# Altium PCB 16SoundsUSB.PcbDoc (part 4 of 4)
Units mil, origin at the board's own origin, x right, y up, seen from the top; angles counter-clockwise.
Board outline 6377.95 x 6377.95 mil, 4 copper layers (Top Layer, GND Plane, Signal Layer 2, Bottom Layer), stack 63.902 mil thick; 583 components, 362 nets, 1734 pads, 554 vias.
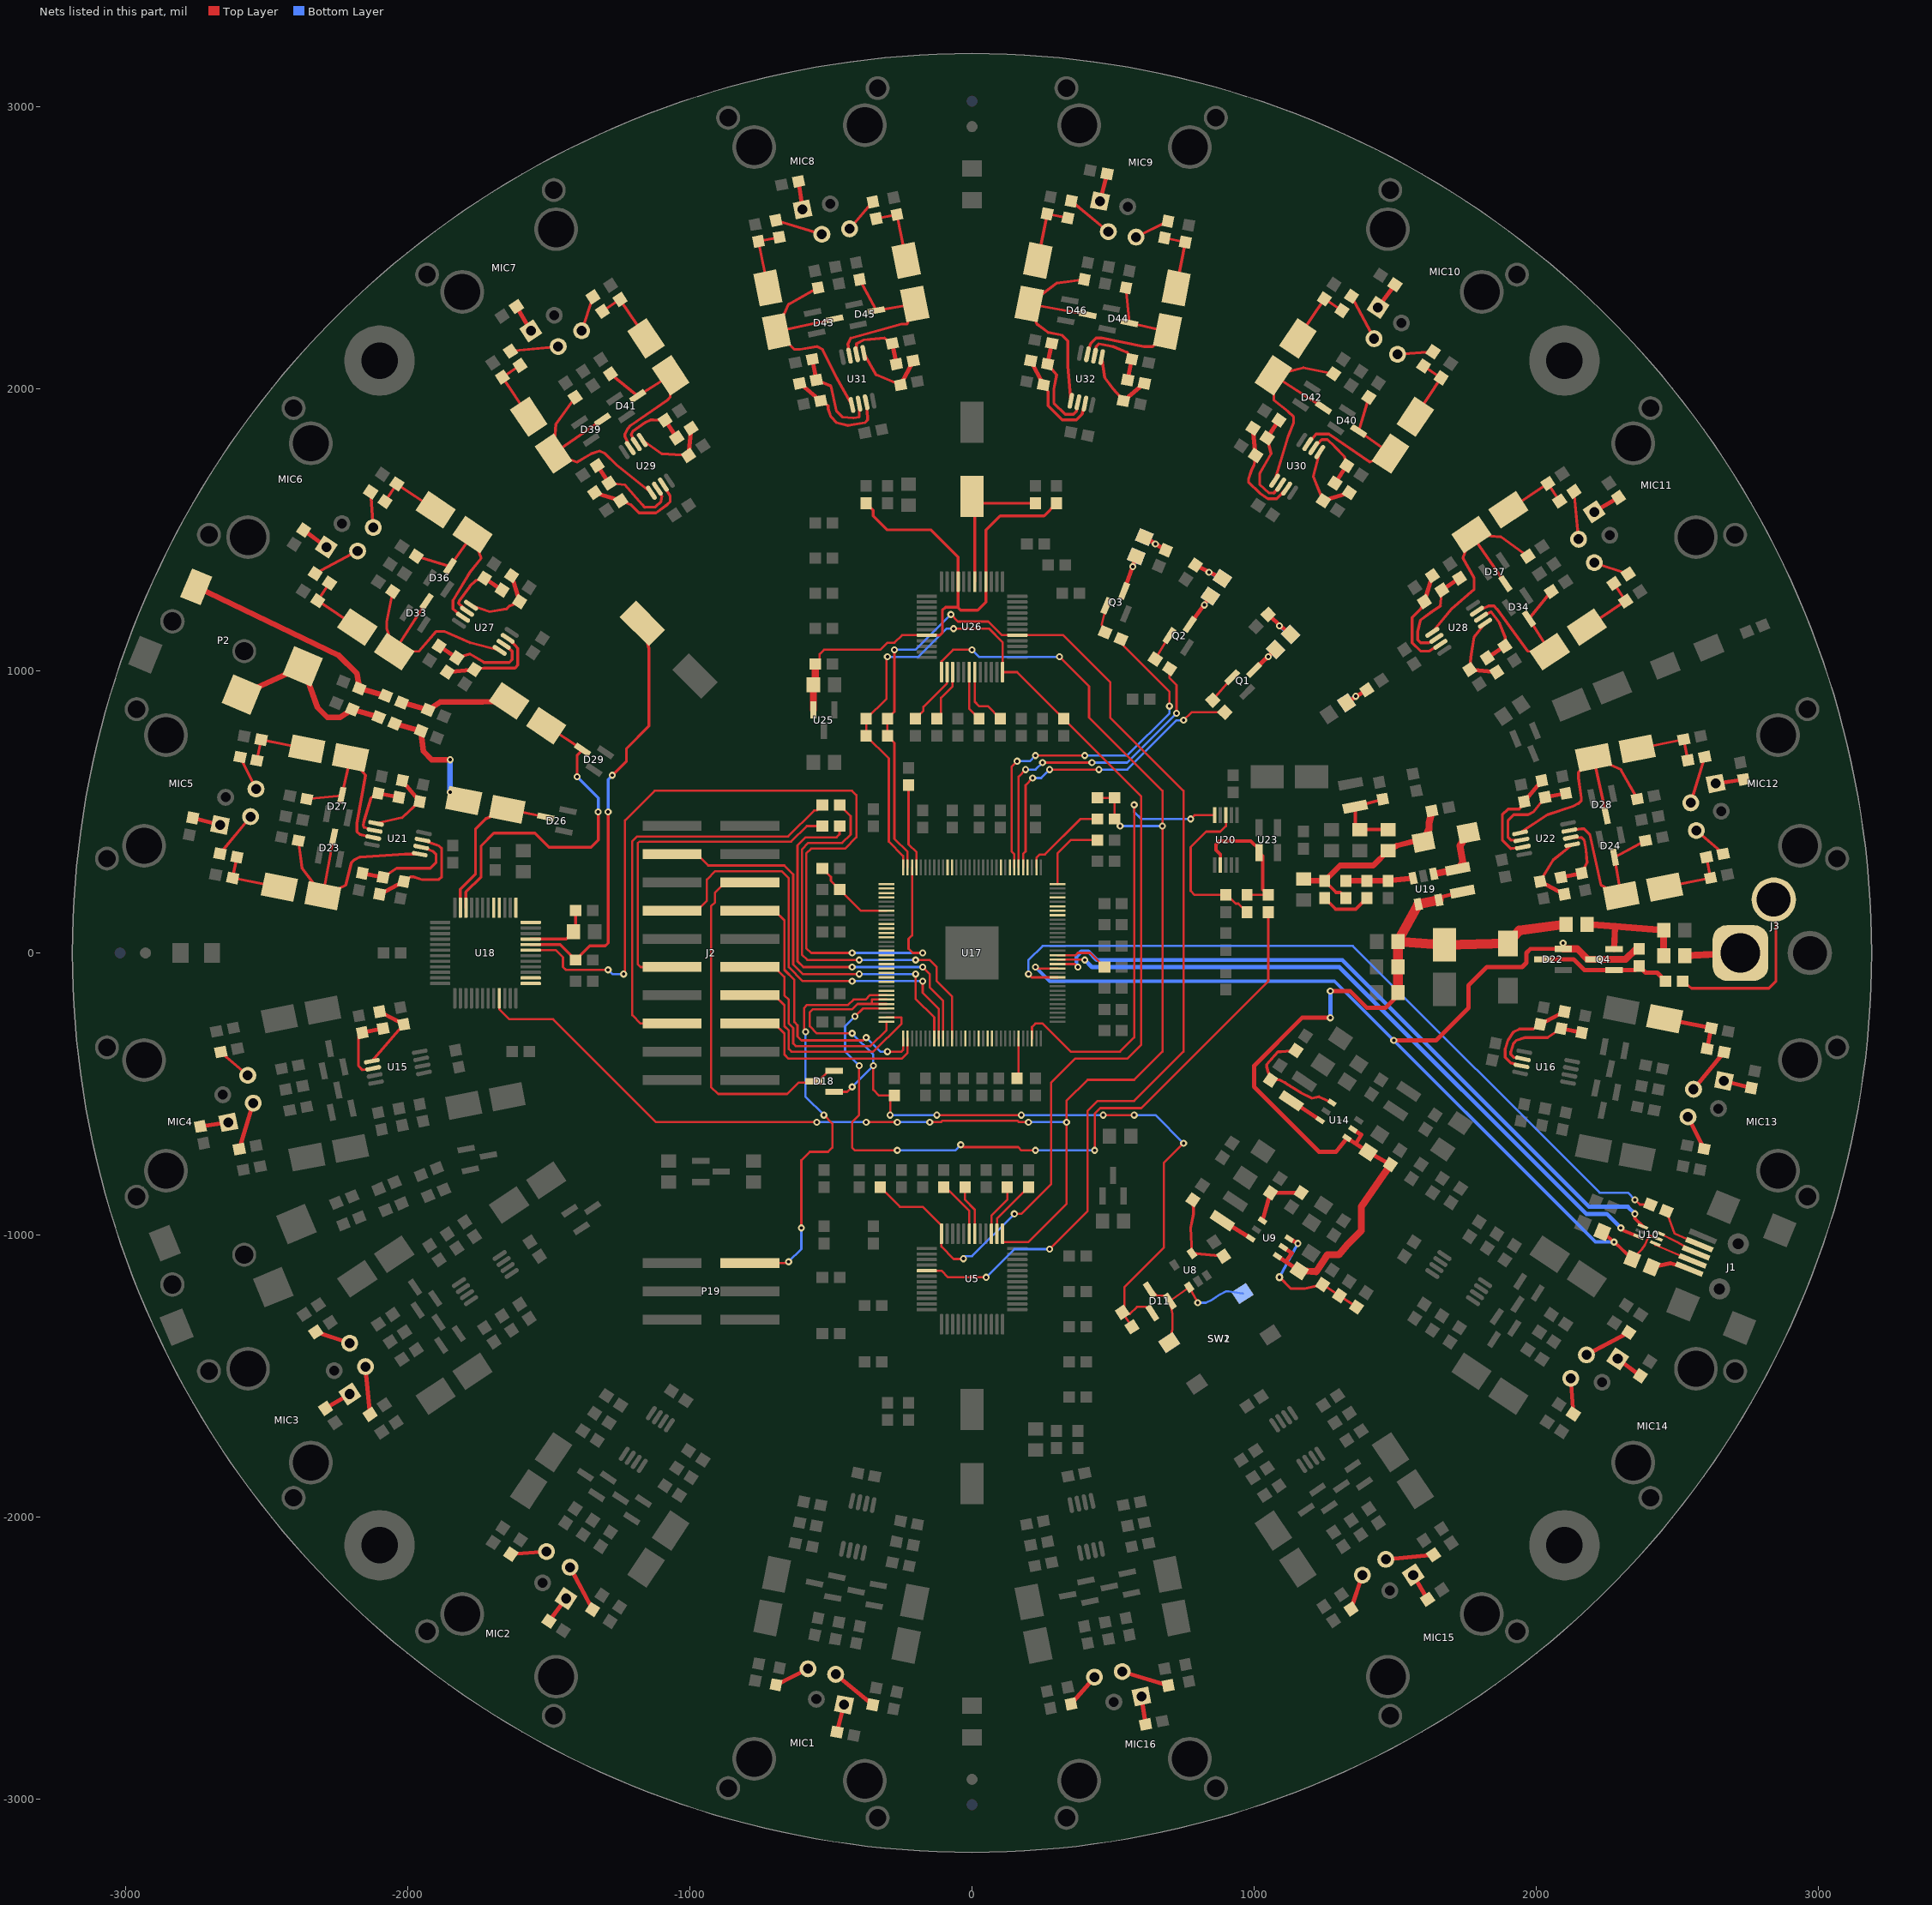
[diagram p6: the nets of this part, all layers, seen from the top]

## Via types
v1: diameter 25, hole 11.81, Top Layer to Bottom Layer, 543 vias
v2: diameter 28, hole 13, Top Layer to Bottom Layer, 5 vias
v3: diameter 70, hole 40, Top Layer to Bottom Layer, 3 vias
v4: diameter 30, hole 12.8, Top Layer to Bottom Layer, 2 vias
v5: diameter 47.24, hole 35.04, Top Layer to Bottom Layer, 1 vias

## Nets (pads, with @x,y where several pads share a name; then routed paths per layer and width w, separated by ;. In a path a pad name is that pad's centre, name@x,y a point inside that pad or via, vN(x,y) a via of type N, cw(c..) or ccw(c..) an arc to the next point about the centre after c; other vN are vias at no path point) (continued)
NetC88_-: C88.- R105.2 R109.2 | length 243.5
  Top Layer w15: C88.-@2455.36,-233.5 R109.2@2620.63,-266.38 R105.2@2606,-339.94
NetC89_1: C89.1 R106.1 U15.2 | length 257.1
  Top Layer w10: R106.1@-2161.4,-282.61 -2175,-296.21 -2175,-400 -2160,-415 U15.2@-2122.58,-409.16
  Top Layer w15: R106.1@-2161.4,-282.61 C89.1@-2087.84,-267.98
NetC89_2: C89.2 R110.1 U15.1 | length 269.7
  Top Layer w10: U15.1@-2127.57,-384.06 R110.1@-2014.28,-253.35
  Top Layer w15: C89.2@-2099.74,-208.13 R110.1@-2014.28,-253.35
NetC91_1: C91.1 R107.1 U16.6 | length 347.2
  Top Layer w10: U16.6@1952.68,-375.37 1920,-370 1910,-360 1910,-350 1920,-320 1930,-310 1960,-300 2040,-300 C91.1@2087.84,-267.98
  Top Layer w15: C91.1@2087.84,-267.98 R107.1@2161.4,-282.61
NetC91_2: C91.2 R111.1 U16.7 | length 363.5
  Top Layer w10: U16.7@1947.68,-400.46 1910,-390 1890,-370 1890,-350 1890.29,-340 1900,-310 1920,-280 1940,-270 1990,-270 R111.1@2014.28,-253.35
  Top Layer w15: R111.1@2014.28,-253.35 C91.2@2099.74,-208.13
NetC100_1: C100.1 C149.+ U18.20 | length 1544.2
  Top Layer w10: U18.20@-1564.57,29.53 -1460.04,29.53 C100.1@-1405.51,-25 -1355.51,25 -1300,25 -1290,35 v1(-1290,500) ; v1(-1275,630) -1225,680 -1225,725 -1145,805 -1145,1080 C149.+@-1168.26,1168.26 C149.+@-1150,1150
  Bottom Layer w10: v1(-1290,500) -1290,615 v1(-1275,630)
NetC104_1: C104.1 C110.1 U18.21 | length 240.7
  Top Layer w10: U18.21@-1564.57,49.21 -1438.19,49.21 C104.1@-1412.4,75 -1405.51,81.89 C110.1@-1405.51,150
NetC108_+: C108.+ D23.3 R131.1 U21.5 | length 853.6
  Top Layer w10: R131.1@-2387.63,398.46 -2375,300 C108.+@-2300.91,202.78 ; D23.3@-2263.33,410.87 C108.+@-2300.91,202.78 ; U21.5@-1957.67,350.27 -2010,350 -2170,340 -2190,330 -2200,320 -2220,240 C108.+@-2300.91,202.78
NetC108_-: C108.- R126.2 R129.2 | length 244.4
  Top Layer w10: R129.2@-2606,339.93 R126.2@-2620.91,265.65 C108.-@-2455.37,233.5
NetC109_+: C109.+ D24.3 R132.2 U22.3 | length 609.1
  Top Layer w10: U22.3@2117.58,434.26 2160,440 2170,440 2190,420 2230,240 C109.+@2300.91,202.78 D24.3@2277.54,339.43 R132.2@2387.63,398.46
NetC109_-: C109.- R127.2 R130.2 | length 240.7
  Top Layer w10: C109.-@2455.36,233.5 R127.2@2617.93,265.84 R130.2@2603.3,339.4
NetC113_1: C113.1 C114.2 C203.1 D25.K L9.1 R122.2 | length 685.2
  Top Layer w12: C114.2@1250,255.51 1290,215 1305,215 R122.2@1325,194.49
  Top Layer w20: C113.1@1181.89,255.51 C114.2@1250,255.51 1304.49,310 1422.4,310 L9.1@1475,362.6 1505,380 1560,395 D25.K@1600.56,394.2
  Top Layer w25: D25.K@1600.56,394.2 1620,440 1620,460 C203.1@1630.07,504.05
NetC114_1: C114.1 C115.2 | length 182.7
  Top Layer w12: C114.1@1250,194.49 1289.49,155 1360.51,155 C115.2@1400,194.49
NetC115_1: C115.1 R122.1 R123.1 U19.3 | length 238.8
  Top Layer w20: R122.1@1325,255.51 C115.1@1400,255.51 R123.1@1475,255.51 U19.3@1563.25,265.48
NetC116_1: C116.1 R124.1 U21.6 | length 370.4
  Top Layer w10: C116.1@-2087.84,267.98 -2040,300 -1920,300 -1900,320 -1900,350 -1910,360 U21.6@-1952.68,375.37
  Top Layer w15: R124.1@-2161.4,282.61 C116.1@-2087.84,267.98
NetC116_2: C116.2 R120.1 U21.7 | length 417.2
  Top Layer w10: R120.1@-2014.28,253.35 -1990,270 -1980,270 -1950,260 -1890,260 -1880,270 -1880,370 -1890,380 U21.7@-1947.68,400.46
  Top Layer w15: C116.2@-2099.74,208.13 R120.1@-2014.28,253.35
NetC117_1: C117.1 R125.1 U22.2 | length 249.1
  Top Layer w10: U22.2@2122.58,409.16 2160,410 2170,400 2176.54,366.54 2180,320 R125.1@2161.4,282.61
  Top Layer w15: C117.1@2087.84,267.98 R125.1@2161.4,282.61
NetC117_2: C117.2 R121.1 U22.1 | length 272.5
  Top Layer w10: R121.1@2014.28,253.35 2060,330 U22.1@2127.57,384.06
  Top Layer w15: R121.1@2014.28,253.35 C117.2@2099.74,208.13
NetC118_1: C118.1 R128.2 U17.103 | length 297.8
  Top Layer w8: R128.2@-530.51,300 -500,269.49 -500,255.51 C118.1@-469.49,225 -394.09,149.61 U17.103@-303.15,149.61
NetC124_1: C124.1 L9.2 L10.1 R141.2 | length 289.7
  Top Layer w12: R141.2@1455.95,545.07 L10.1@1358.06,518.65 1358.06,454.34 C124.1@1375,437.4 L9.2@1475,437.4
NetC126_+: C126.+ D26.3 U18.35 | length 575.7
  Top Layer w10: U18.35@-1813.58,160.43 -1813.58,226.42 -1760,280 -1760,440 -1725,475 C126.+@-1647.77,509.64 D26.3@-1510.72,482.1
NetC126_-: C126.- R151.2 R158.1 | length 391.9
  Top Layer w20: R158.1@-2046.81,813.32 R151.2@-1953.19,786.68 -1945,715 -1915,685 v1(-1850,685)
  Bottom Layer w20: v1(-1850,570) v1(-1850,685)
NetC135_1: C135.1 R143.1 U21.2 | length 253.4
  Top Layer w10: U21.2@-2117.58,434.26 -2155,445 -2158.38,453.38 -2154.37,470 -2130,550 R143.1@-2105.02,566.03
  Top Layer w15: R143.1@-2105.02,566.03 C135.1@-2031.46,551.4
NetC135_2: C135.2 R138.1 U21.1 | length 275.7
  Top Layer w10: U21.1@-2112.59,459.36 -2020,480 R138.1@-1957.9,536.77
  Top Layer w15: C135.2@-2019.56,611.25 R138.1@-1957.9,536.77
NetC136_1: C136.1 R144.1 U22.6 | length 353.5
  Top Layer w10: U22.6@1947.68,400.46 1910,400 1900,410 1900,470 1920,490 1970,490 1990,500 C136.1@2031.46,551.4
  Top Layer w15: C136.1@2031.46,551.4 R144.1@2105.02,566.03
NetC136_2: C136.2 R139.1 U22.7 | length 372.6
  Top Layer w10: U22.7@1952.68,375.37 1910,370 1880,400 1880,490 1900,510 1940,510 R139.1@1957.9,536.77
  Top Layer w15: R139.1@1957.9,536.77 C136.2@2019.56,611.25
NetC139_+: C139.+ D27.3 R140.2 U21.3 | length 611.7
  Top Layer w10: R140.2@-2358.37,545.58 D27.3@-2234.07,557.98 C139.+@-2203.37,693.17 -2150,630 -2180,460 -2180,430 -2170,420 U21.3@-2122.58,409.16
NetC139_-: C139.- R148.2 R150.2 | length 240.7
  Top Layer w10: R148.2@-2535.01,682.67 R150.2@-2520.38,756.23 C139.-@-2357.82,723.9
NetC140_+: C140.+ D28.3 R142.1 U22.5 | length 861
  Top Layer w10: U22.5@1942.69,425.56 2040,490 2130,520 2150,530 2160,540 2160,550 2150,620 2150,640 C140.+@2203.36,693.17 ; D28.3@2248.28,486.55 C140.+@2203.36,693.17 ; R142.1@2358.37,545.58 2300,650 C140.+@2203.36,693.17
NetC140_-: C140.- R149.2 R152.2 | length 243.5
  Top Layer w10: C140.-@2357.82,723.9 R152.2@2523.09,756.77 R149.2@2537.72,683.21
NetC142_+: C142.+ D29.3 U18.34 | length 1221.3
  Top Layer w10: U18.34@-1793.9,160.43 -1793.9,216.1 -1740,270 -1740,380 -1695,425 -1550,425 -1500,375 -1350,375 -1325,400 v1(-1325,500) ; C142.+@-1509.53,806.25 D29.3@-1380.28,720.23 -1380.28,719.72 -1400,700 v1(-1400,625)
  Bottom Layer w10: v1(-1400,625) -1325,550 v1(-1325,500)
NetC142_-: C142.- R159.2 R161.1 | length 393.6
  Top Layer w20: R161.1@-2021.81,888.32 R159.2@-1928.19,861.68 -1885,890 -1735,890 C142.-@-1640.47,893.75
NetC148_1: C148.1 P2.2 P2.4 R158.2 | length 636.7
  Top Layer w20: P2.2@-2588.46,915.83 P2.4@-2372.28,1015.92 -2320,870 -2285,835 -2240,835 C148.1@-2196.81,863.32 R158.2@-2103.19,836.68
NetC151_1: C151.1 P2.3 R161.2 | length 801.8
  Top Layer w20: P2.3@-2749.77,1297.99 -2245,1055 -2180,990 C151.1@-2171.81,938.32 R161.2@-2078.19,911.68
NetC152_1: C152.1 C158.1 C177.1 C180.1 U25.2 U26.4 U26.9 U26.20 | length 2059.6
  Top Layer w8: C158.1@-555.51,1025 -540,1040.51 -540,1060 -525,1075 -325,1075 -300,1100 -275,1100 -248.43,1126.57 U26.20@-160.43,1126.57
  Top Layer w10: C177.1@-375,1594.49 -350,1569.49 -350,1550 -300,1500 -145,1500 -49.21,1404.21 U26.9@-49.21,1316.54 -49.21,1225.79 -94.21,1225.79 -105,1215 -105,1135 -113.43,1126.57 U26.20@-160.43,1126.57 ; -50,1225 -40,1215 20,1215 49.21,1244.21 U26.4@49.21,1316.54 ; 49.21,1499.21 100,1550 255.51,1550 C180.1@300,1594.49
  Top Layer w11: U26.4@49.21,1316.54 49.21,1499.21
  Top Layer w25: U25.2@-562.4,861.42 C152.1@-562.4,950 ; C152.1@-555.51,956.89 C158.1@-555.51,1025
NetC153_+: C153.+ D33.3 R174.1 U27.5 | length 849.6
  Top Layer w10: R174.1@-2053.4,1281.84 -2075,1175 -2075,1150 C153.+@-2048.16,1067.87 ; D33.3@-1933.82,1245.73 C153.+@-2048.16,1067.87 ; U27.5@-1674.61,1072.77 -1780,1100 -1870,1140 -1900,1140 -1960,1070 C153.+@-2048.16,1067.87
NetC153_-: C153.- R170.2 R176.2 | length 243.5
  Top Layer w10: R176.2@-2277.54,1311.33 R170.2@-2319.21,1248.97 C153.-@-2179.1,1155.36
NetC154_1: C154.1 R166.1 U27.6 | length 354.5
  Top Layer w10: C154.1@-1826.36,1046.56 -1780,1060 -1730,1030 -1640,1030 -1630,1040 -1630,1070 U27.6@-1660.39,1094.05
  Top Layer w15: R166.1@-1888.72,1088.23 C154.1@-1826.36,1046.56
NetC154_2: C154.2 R163.1 U27.7 | length 365.8
  Top Layer w10: R163.1@-1764,1004.89 -1730,1010 -1620,1010 -1610,1020 -1610,1080 -1620,1090 U27.7@-1646.17,1115.33
  Top Layer w15: C154.2@-1860.26,995.82 R163.1@-1764,1004.89
NetC155_1: C155.1 R167.1 U28.2 | length 251.3
  Top Layer w10: U28.2@1804.42,1190.29 1840,1210 1870,1170 1890,1120 R167.1@1888.72,1088.23
  Top Layer w15: C155.1@1826.36,1046.56 R167.1@1888.72,1088.23
NetC155_2: C155.2 R164.1 U28.1 | length 275.4
  Top Layer w10: R164.1@1764,1004.89 1770,1060 1780,1120 U28.1@1818.64,1169.01
  Top Layer w15: R164.1@1764,1004.89 C155.2@1860.26,995.82
NetC156_+: C156.+ D34.3 R175.2 U28.3 | length 605.7
  Top Layer w10: U28.3@1790.21,1211.57 1830,1230 1850,1230 1860,1220 1970,1070 C156.+@2048.16,1067.87 D34.3@1974.28,1185.17 R175.2@2053.4,1281.84
NetC156_-: C156.- R173.2 R177.2 | length 240.7
  Top Layer w10: C156.-@2179.1,1155.36 R173.2@2316.92,1247.44 R177.2@2275.25,1309.8
NetC161_1: C161.1 R178.1 U27.2 | length 250
  Top Layer w10: U27.2@-1790.21,1211.57 -1820,1240 -1817.93,1247.93 -1780,1300 -1760,1320 R178.1@-1728.17,1328.5
  Top Layer w15: R178.1@-1728.17,1328.5 C161.1@-1665.81,1286.84
NetC161_2: C161.2 R171.1 U27.1 | length 281.1
  Top Layer w10: U27.1@-1775.99,1232.85 -1710,1210 -1650,1220 -1640,1230 R171.1@-1603.45,1245.17
  Top Layer w15: C161.2@-1631.91,1337.57 R171.1@-1603.45,1245.17
NetC164_1: C164.1 R180.1 U28.6 | length 363.9
  Top Layer w10: U28.6@1646.17,1115.33 1620,1100 1590,1100 1580,1110 1580,1140 1590,1180 1630,1210 1660,1230 C164.1@1665.81,1286.84
  Top Layer w15: C164.1@1665.81,1286.84 R180.1@1728.17,1328.5
NetC164_2: C164.2 R172.1 U28.7 | length 377.1
  Top Layer w10: R172.1@1603.45,1245.17 1590,1220 1560,1190 1560,1100 1590,1070 1620,1070 U28.7@1660.39,1094.05
  Top Layer w15: R172.1@1603.45,1245.17 C164.2@1631.91,1337.57
NetC168_+: C168.+ D36.3 R182.2 U27.3 | length 609.5
  Top Layer w10: R182.2@-1970.06,1406.56 D36.3@-1850.48,1370.45 C168.+@-1770.38,1483.6 -1740,1400 -1780,1350 -1840,1250 -1840,1220 U27.3@-1804.43,1190.29
NetC168_-: C168.- R187.2 R190.2 | length 240.7
  Top Layer w10: R187.2@-2080.8,1600.82 R190.2@-2039.13,1663.18 C168.-@-1901.32,1571.09
NetC170_+: C170.+ D37.3 R183.1 U28.5 | length 857.1
  Top Layer w10: U28.5@1631.96,1136.6 1700,1220 1780,1290 1780,1330 1740,1400 C170.+@1770.38,1483.6 ; D37.3@1890.94,1309.89 C170.+@1770.38,1483.6 ; R183.1@1970.06,1406.56 1875,1475 C170.+@1770.38,1483.6
NetC170_-: C170.- R188.2 R191.2 | length 243.5
  Top Layer w10: C170.-@1901.32,1571.09 R191.2@2041.42,1664.71 R188.2@2083.09,1602.35
NetC175_+: C175.+ C179.1 U26.6 | length 526.5
  Top Layer w10: C175.+@0,1618.11 C175.+@9.84,1608.27 ; U26.6@9.84,1316.54 C175.+@9.84,1608.27 ; C179.1@225,1594.49 23.62,1594.49 C175.+@9.84,1608.27
NetC181_1: C181.1 R192.1 U29.6 | length 353.7
  Top Layer w10: C181.1@-1286.84,1665.81 -1230,1660 -1170,1590 -1160,1580 -1121.78,1581.78 -1101.78,1601.78 -1100,1620 U29.6@-1115.33,1646.17
  Top Layer w15: R192.1@-1328.5,1728.17 C181.1@-1286.84,1665.81
NetC181_2: C181.2 R185.1 U29.7 | length 367.9
  Top Layer w10: R185.1@-1245.17,1603.45 -1210,1590 -1180,1560 -1120,1560 -1080,1590 -1070,1600 -1070,1620 U29.7@-1094.05,1660.39
  Top Layer w15: C181.2@-1337.57,1631.91 R185.1@-1245.17,1603.45
NetC182_1: C182.1 R193.1 U30.2 | length 254
  Top Layer w10: U30.2@1211.57,1790.21 1240,1820 1260,1820 1285.73,1795.73 1320,1760 R193.1@1328.5,1728.17
  Top Layer w15: C182.1@1286.83,1665.81 R193.1@1328.5,1728.17
NetC182_2: C182.2 R186.1 U30.1 | length 279.1
  Top Layer w10: U30.1@1232.85,1775.99 1210,1690 1230,1640 R186.1@1245.17,1603.45
  Top Layer w15: R186.1@1245.17,1603.45 C182.2@1337.57,1631.91
NetC183_+: C183.+ D39.3 R200.1 U29.5 | length 858.7
  Top Layer w10: R200.1@-1406.56,1970.06 -1475,1875 C183.+@-1483.6,1770.38 ; D39.3@-1309.89,1890.94 C183.+@-1483.6,1770.38 ; U29.5@-1136.6,1631.96 -1260,1730 -1300,1770 -1320,1780 -1350,1770 -1400,1740 C183.+@-1483.6,1770.38
  Top Layer w15: C183.+@-1483.6,1770.38 C183.+@-1475.63,1775.91
NetC183_-: C183.- R204.2 R208.2 | length 243.5
  Top Layer w10: R208.2@-1602.35,2083.09 R204.2@-1664.71,2041.42 C183.-@-1571.09,1901.32
NetC184_+: C184.+ D40.3 R201.2 U30.3 | length 610.7
  Top Layer w10: U30.3@1190.29,1804.43 1220,1840 1265.24,1840 1410,1740 C184.+@1483.6,1770.38 D40.3@1370.45,1850.48 R201.2@1406.56,1970.06
NetC184_-: C184.- R205.2 R209.2 | length 240.7
  Top Layer w10: C184.-@1571.09,1901.32 R205.2@1663.18,2039.13 R209.2@1600.82,2080.8
NetC185_1: C185.1 R196.1 U29.2 | length 252
  Top Layer w10: U29.2@-1190.29,1804.43 -1207.75,1837.75 -1202.29,1850 -1160,1880 -1140,1890 -1130,1890 R196.1@-1088.23,1888.72
  Top Layer w15: R196.1@-1088.23,1888.72 C185.1@-1046.56,1826.36
NetC185_2: C185.2 R194.1 U29.1 | length 276.4
  Top Layer w10: U29.1@-1169.01,1818.64 -1100,1770 R194.1@-1004.89,1764
  Top Layer w15: R194.1@-1004.89,1764 C185.2@-995.82,1860.26
NetC186_1: C186.1 R197.1 U30.6 | length 353
  Top Layer w10: C186.1@1046.56,1826.36 1060,1770 1020,1700 1020,1660 1051.94,1631.94 1070,1630 U30.6@1094.05,1660.39
  Top Layer w15: C186.1@1046.56,1826.36 R197.1@1088.23,1888.72
NetC186_2: C186.2 R195.1 U30.7 | length 368.2
  Top Layer w10: R195.1@1004.89,1764 1000,1730 990,1710 980,1680 980,1670 1020,1630 1050,1610 1080,1610 U30.7@1115.33,1646.17
  Top Layer w15: C186.2@995.82,1860.26 R195.1@1004.89,1764
NetC189_+: C189.+ D41.3 R206.2 U29.3 | length 604.4
  Top Layer w10: R206.2@-1281.84,2053.4 D41.3@-1185.17,1974.28 C189.+@-1067.87,2048.16 -1070,1970 -1080,1960 -1210,1870 -1220,1860 -1230,1840 -1230,1830 U29.3@-1211.57,1790.21
NetC189_-: C189.- R215.2 R217.2 | length 240.7
  Top Layer w10: R215.2@-1309.8,2275.25 R217.2@-1247.44,2316.92 C189.-@-1155.36,2179.1
NetC190_+: C190.+ D42.3 R207.1 U30.5 | length 847.7
  Top Layer w10: U30.5@1072.77,1674.61 1120,1830 1140,1880 1140,1900 1120,1920 1070,1960 C190.+@1067.87,2048.16 ; D42.3@1245.73,1933.82 C190.+@1067.87,2048.16 ; R207.1@1281.84,2053.4 1175,2075 C190.+@1067.87,2048.16
NetC190_-: C190.- R216.2 R218.2 | length 243.5
  Top Layer w10: C190.-@1155.36,2179.1 R218.2@1248.97,2319.21 R216.2@1311.33,2277.54
NetC193_1: C193.1 R210.1 U31.6 | length 359.3
  Top Layer w10: C193.1@-551.4,2031.46 -500,2010 -480,1920 -460,1900 -420,1896.75 -400,1900 -400,1910 U31.6@-400.46,1947.68
  Top Layer w15: R210.1@-566.03,2105.02 C193.1@-551.4,2031.46
NetC193_2: C193.2 R198.1 U31.7 | length 378
  Top Layer w10: R198.1@-536.77,1957.9 -510,1940 -510,1930 -500,1900 -480,1880 -440,1870 -380,1880 -370,1890 -370,1900 U31.7@-375.37,1952.68
  Top Layer w15: C193.2@-611.25,2019.56 R198.1@-536.77,1957.9
NetC194_1: C194.1 R211.1 U32.2 | length 256.6
  Top Layer w10: U32.2@434.26,2117.58 440,2150 450,2160 500,2150 550,2130 R211.1@566.03,2105.02
  Top Layer w15: C194.1@551.4,2031.46 R211.1@566.03,2105.02
NetC194_2: C194.2 R199.1 U32.1 | length 276
  Top Layer w10: U32.1@459.36,2112.59 470,2040 500,2000 R199.1@536.77,1957.9
  Top Layer w15: R199.1@536.77,1957.9 C194.2@611.25,2019.56
NetC195_1: C195.1 R212.1 U31.2 | length 249.2
  Top Layer w10: U31.2@-409.16,2122.58 -410,2160 -383.76,2173.76 -360,2176.01 -310,2180 R212.1@-282.61,2161.4
  Top Layer w15: R212.1@-282.61,2161.4 C195.1@-267.98,2087.84
NetC195_2: C195.2 R202.1 U31.1 | length 279.6
  Top Layer w10: U31.1@-384.06,2127.57 -340,2050 R202.1@-253.35,2014.28
  Top Layer w15: R202.1@-253.35,2014.28 C195.2@-208.13,2099.74
NetC196_1: C196.1 R213.1 U32.6 | length 359.4
  Top Layer w10: C196.1@267.98,2087.84 300,2050 290,2000 290,1950 330,1910 360,1910 370,1920 U32.6@375.37,1952.68
  Top Layer w15: C196.1@267.98,2087.84 R213.1@282.61,2161.4
NetC196_2: C196.2 R203.1 U32.7 | length 364.2
  Top Layer w10: R203.1@253.35,2014.28 270,1990 270,1940 320,1890 370,1890 390,1910 U32.7@400.46,1947.68
  Top Layer w15: C196.2@208.13,2099.74 R203.1@253.35,2014.28
NetC197_+: C197.+ D43.3 R219.1 U31.5 | length 852.9
  Top Layer w10: R219.1@-545.58,2358.37 -650,2300 C197.+@-693.17,2203.37 ; D43.3@-486.55,2248.28 C197.+@-693.17,2203.37 ; U31.5@-425.56,1942.69 -480,2040 -530,2140 -550,2150 -610,2140 -630,2140 C197.+@-693.17,2203.37
NetC197_-: C197.- R224.2 R226.2 | length 243.5
  Top Layer w10: C197.-@-723.9,2357.82 R224.2@-756.77,2523.09 R226.2@-683.21,2537.72
NetC198_+: C198.+ D44.3 R220.2 U32.3 | length 609.1
  Top Layer w10: U32.3@409.16,2122.58 420,2160 440,2180 460,2180 610,2150 640,2150 C198.+@693.17,2203.37 D44.3@557.98,2234.07 R220.2@545.58,2358.37
NetC198_-: C198.- R225.2 R227.2 | length 240.7
  Top Layer w10: R227.2@682.67,2535.01 R225.2@756.23,2520.38 C198.-@723.9,2357.82
NetC199_+: C199.+ D45.3 R222.2 U31.3 | length 611.5
  Top Layer w10: U31.3@-434.26,2117.58 -440,2160 -430,2180 -250,2230 -230,2230 C199.+@-202.78,2300.91 D45.3@-339.43,2277.54 R222.2@-398.46,2387.63
NetC199_-: C199.- R228.2 R230.2 | length 240.7
  Top Layer w10: R228.2@-339.4,2603.3 R230.2@-265.84,2617.93 C199.-@-233.5,2455.36
NetC200_+: C200.+ D46.3 R223.1 U32.5 | length 850.9
  Top Layer w10: U32.5@350.27,1957.67 340,2080 340,2170 320,2190 270,2200 230,2230 C200.+@202.78,2300.91 ; R223.1@398.46,2387.63 300,2375 C200.+@202.78,2300.91 ; D46.3@410.87,2263.33 C200.+@202.78,2300.91
NetC200_-: C200.- R229.2 R231.2 | length 243.5
  Top Layer w10: C200.-@233.5,2455.36 R231.2@266.38,2620.63 R229.2@339.94,2606
NetC300_1: C300.1 R63.2 R300.1 U9.6 | length 487.1
  Top Layer w10: v2(1090,-1150) 1130,-1190 1180,-1190 R300.1@1243.05,-1175.37 C300.1@1303.05,-1215.37 R63.2@1363.05,-1255.37
  Top Layer w15: U9.6@1124.38,-1012.81 v1(1155,-1030)
  Bottom Layer w10: v2(1090,-1150) v1(1155,-1030)
NetD11_1: D11.1 D18.1 R98.2 TP2.1 TP2.2 U17.123 U17.124 | length 3087.6
  Top Layer w8: D18.1@-488.58,-492.4 -442.4,-492.4 v1(-425,-475) ; v1(-425,-285) -550,-285 -575,-260 -575,-210 -565,-200 -425,-200 -405.92,-180.92 -303.15,-180.92 U17.124@-303.15,-181.1 ; -354.65,-180.56 -354.65,-165.35 U17.123@-303.15,-165.35 ; v1(-350,-400) -350,-485 -329.49,-505.51 R98.2@-275,-505.51 -290,-520.51 v1(-290,-575) ; v1(-125,-575) v1(175,-575) ; v1(465,-575) v1(575,-575) ; TP2.2@566.95,-1325.37 TP2.1@533.05,-1274.63 ; D11.1@639.13,-1276.06 618.08,-1255 585,-1255 560,-1280 538.42,-1280 TP2.1@533.05,-1274.63 ; v1(750,-675) 680,-745 680,-1045 540,-1185 540,-1267.68 TP2.1@533.05,-1274.63